# KiCad board [DFR1144][M027.00940](V1.0.0).kicad_pcb (continued)
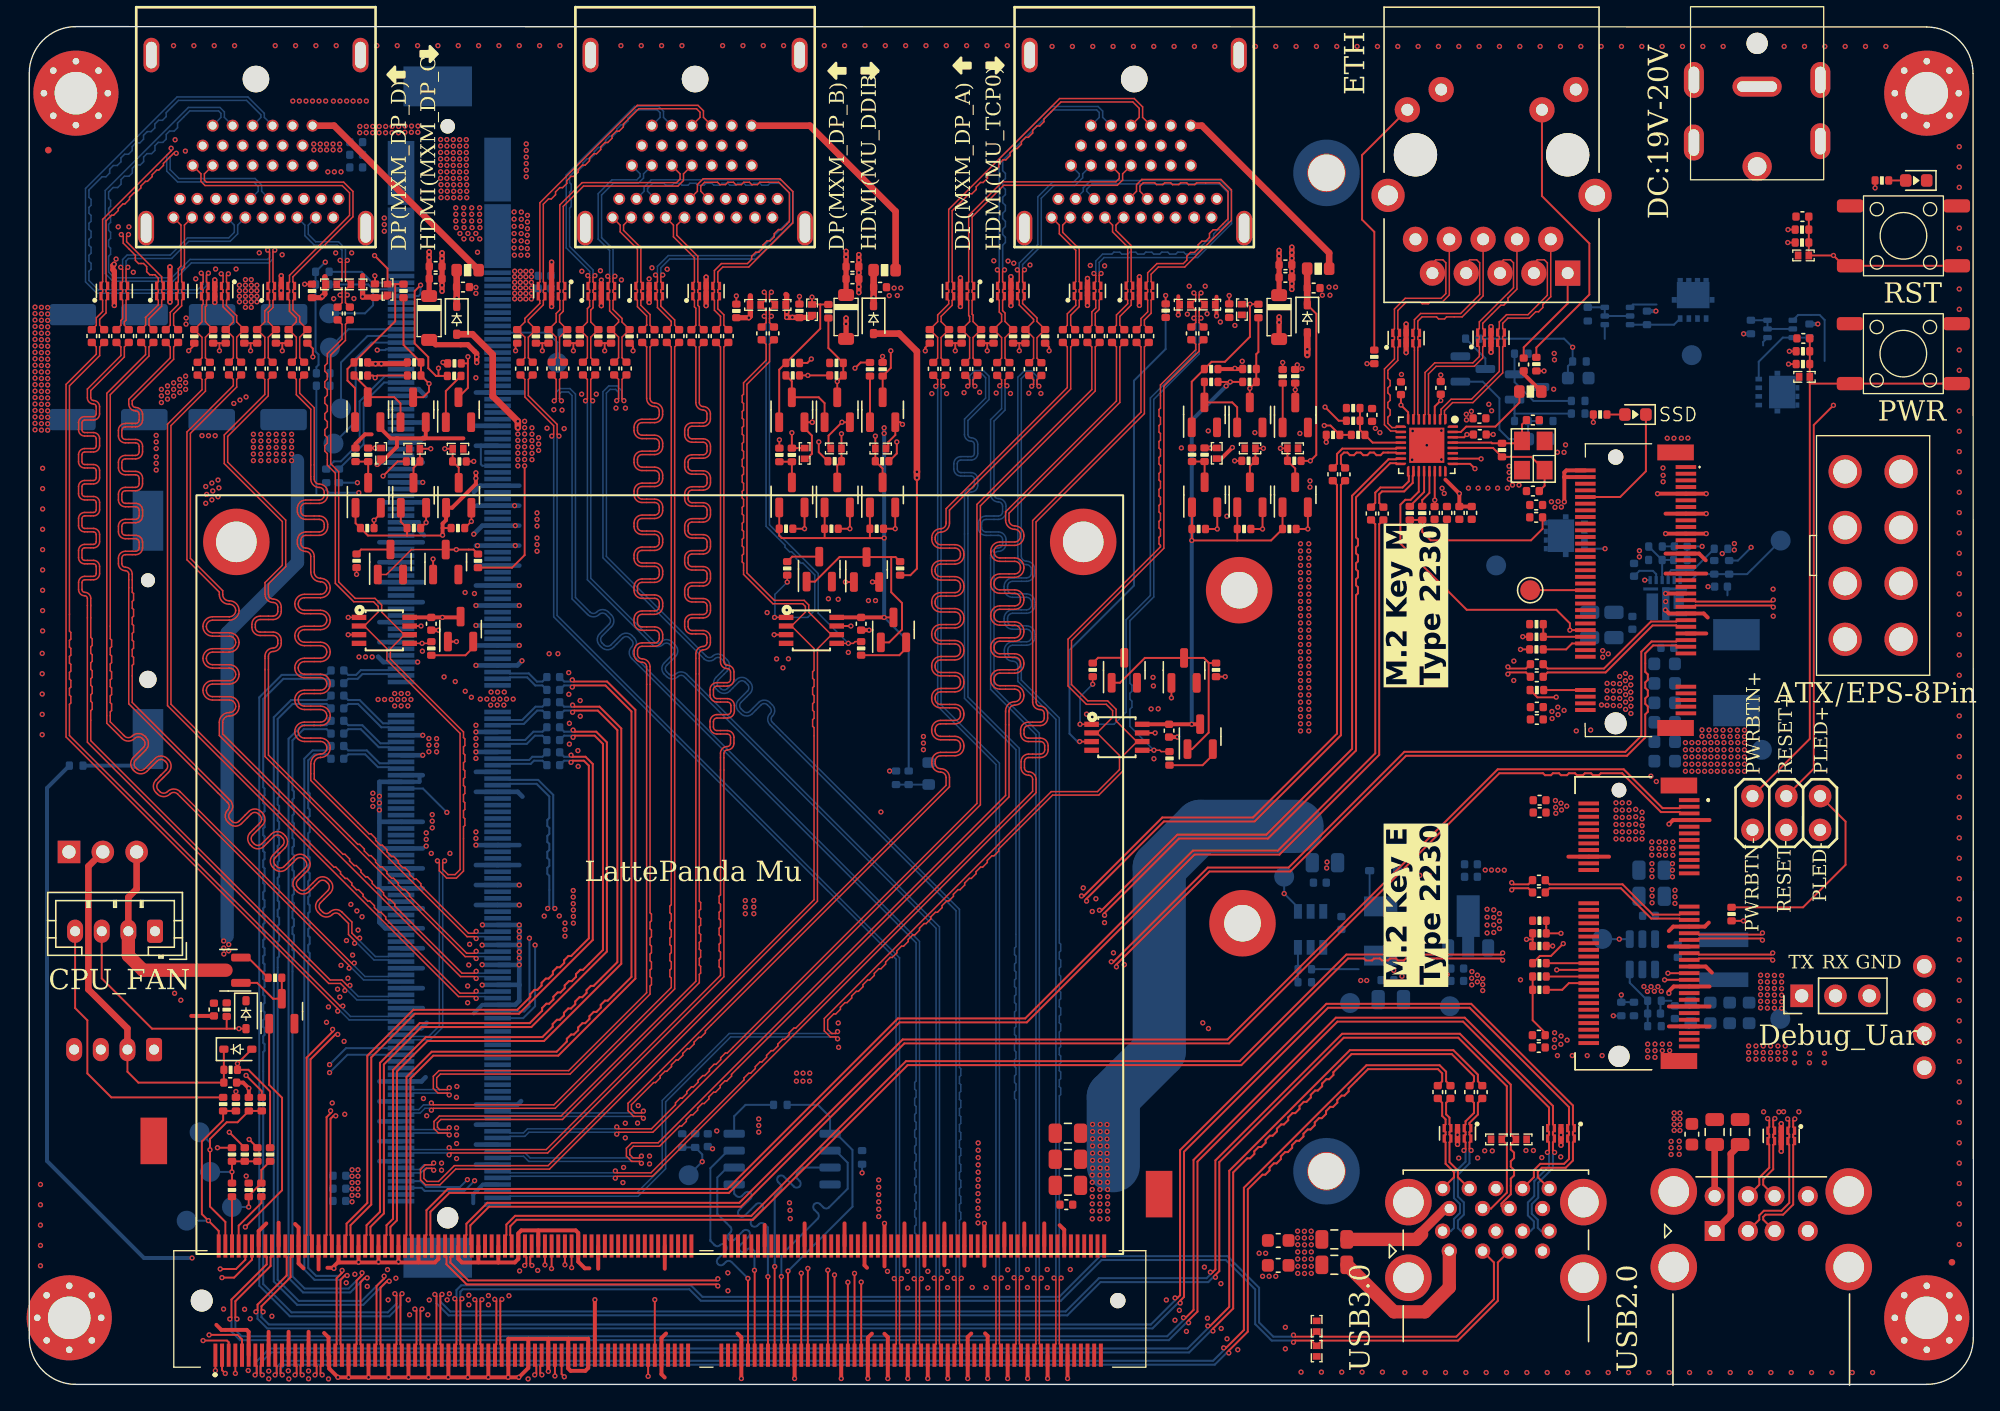
[diagram p0: board, top side]
## Routing (per net, layer and track width the routed paths; a pad name or vN(x,y) marks a point on that pad's centre or on a via; arc(x,y) is an arc through that point) (continued)
Net-(A1-HPD_1): length 14.6
  In1.SIG1 w0.15: A1.185 v1(61.98,8.34)
  In3.SIG2 w0.15: v1(61.98,8.34) 61.98,15.32 v1(62.54,15.89)
  In8.SIG4 w0.15: v1(62.54,15.89) R1.1
Net-(A1-SIO_UART_RX): length 145
  In1.SIG1 w0.15: A1.12 16.73,9.37 15.38,8.02 v1(14.47,8.02)
  In3.SIG2 w0.15: v1(14.47,8.02) 18.47,8.02 23.29,3.2 74.36,3.2 82.45,11.29 82.45,20.63 v1(88.56,26.73)
  In6.SIG3 w0.15: J1.2 135.65,27.24 134.53,26.13 116.77,26.13 116.04,26.86 88.68,26.86 v1(88.56,26.73)
Net-(A1-SIO_UART_TX): length 142.2
  In1.SIG1 w0.15: A1.10 16.23,9.37 15.53,8.67 v1(14.34,8.67)
  In3.SIG2 w0.15: v1(88.13,27.16) 82.15,21.18 82.15,11.41 74.24,3.5 23.41,3.5 18.24,8.67 v1(14.34,8.67)
  In6.SIG3 w0.15: v1(88.13,27.16) 116.16,27.16 116.89,26.43 132.3,26.43 133.11,27.23 J1.1
Net-(A1-SPI_CLK): length 19.6
  In1.SIG1 w0.15: A1.155 54.48,8.56 v1(54.46,8.57)
  In8.SIG4 w0.15: v1(54.46,8.57) 54.46,10.02 54.34,10.14 arc(54.13,10.22) 53.92,10.14 53.81,10.02 arc(53.59,9.94) 53.38,10.02 arc(53.29,10.24) 53.38,10.45 54.03,11.1 arc(54.12,11.31) 54.03,11.52 arc(53.82,11.61) 53.61,11.52 52.96,10.87 arc(52.75,10.78) 52.53,10.87 arc(52.45,11.08) 52.53,11.3 52.65,11.41 arc(52.73,11.62) 52.65,11.83 51.67,12.81 51.67,15.54 52.42,16.29 U29.6
Net-(A1-SPI_IO2): length 19.5
  In1.SIG1 w0.15: A1.161 55.98,8.84 v1(55.98,8.85)
  In8.SIG4 w0.15: v1(55.98,8.85) 55.98,14.17 56.41,14.6 arc(56.5,14.81) 56.41,15.02 56.25,15.19 arc(56.16,15.4) 56.25,15.61 arc(56.46,15.7) 56.67,15.61 57.42,14.86 arc(57.63,14.78) 57.84,14.86 arc(57.93,15.08) 57.84,15.29 57.68,15.45 arc(57.6,15.66) 57.68,15.87 58.1,16.29 U29.3
Net-(A1-SPI_IO3): length 19.6
  In1.SIG1 w0.15: v1(53.97,7.96) 53.98,7.95 A1.153
  In8.SIG4 w0.15: U29.7 52.47,17.56 51.15,16.24 51.15,10.78 51.47,10.46 arc(51.67,10.38) 51.88,10.46 arc(52.08,10.54) 52.28,10.46 52.3,10.44 arc(52.39,10.24) 52.3,10.04 51.72,9.45 arc(51.63,9.24) 51.72,9.03 arc(51.93,8.94) 52.15,9.03 52.31,9.2 arc(52.52,9.28) 52.73,9.2 v1(53.97,7.96)
Net-(A1-SPI_MISO/SPI_IO1): length 19.6
  In1.SIG1 w0.15: v1(56.48,8.1) 56.48,8.09 A1.163
  In8.SIG4 w0.15: v1(56.48,8.1) 56.48,9.72 59.21,12.45 arc(59.3,12.66) 59.21,12.87 58.96,13.12 arc(58.87,13.33) 58.96,13.55 arc(59.17,13.63) 59.38,13.55 59.63,13.3 arc(59.85,13.21) 60.06,13.3 61.46,14.7 61.46,16.65 60.55,17.56 U29.2
Net-(A1-SPI_MOSI/SPI_IO0): length 19.5
  In1.SIG1 w0.15: v1(55.47,8.09) 55.48,8.09 A1.159
  In8.SIG4 w0.15: U29.5 52.94,14.32 53.1,14.16 arc(53.31,14.07) 53.52,14.16 53.74,14.38 arc(53.95,14.47) 54.16,14.38 arc(54.25,14.17) 54.16,13.95 53.31,13.1 arc(53.22,12.88) 53.31,12.67 arc(53.52,12.58) 53.73,12.67 54.59,13.53 arc(54.8,13.62) 55.01,13.53 arc(55.1,13.32) 55.01,13.11 54.26,12.35 arc(54.17,12.14) 54.26,11.93 arc(54.47,11.84) 54.68,11.93 54.8,12.04 arc(55.01,12.13) 55.22,12.04 55.47,11.79 v1(55.47,8.09)
Net-(A1-~{BIOS_SEL}): length 19.7
  In1.SIG1 w0.15: v1(46.98,6.37) A1.133
  In3.SIG2 w0.15: v1(46.98,6.37) 50.54,9.93 v1(50.54,16.73)
  In8.SIG4 w0.15: R139.2 R3.1 50.54,17.27 v1(50.54,16.73) TP1.1
Net-(A1-~{SPI_CS0}): length 24.5
  In1.SIG1 w0.15: A1.165 56.98,8.5 v1(56.98,8.51)
  In8.SIG4 w0.15: R138.1 59.22,21 60.14,20.08 U29.1 60.6,18.83 61.82,17.61 61.82,13.35 v1(56.98,8.51)
Net-(BT1-+): length 6.9
  In8.SIG4 w0.3: R2.2 8.91,46.48
  In8.SIG4 w0.5: 8.91,46.48 BT1.1
Net-(C169-Pad1): length 0.9
  In8.SIG4 w0.15: C169.1 122.65,62.95 R145.1
Net-(D8-K): length 11.6
  In1.SIG1 w0.4: v1(61.34,85.12) v1(61.34,84.7) 61.34,81.71
  In3.SIG2 w0.4: v1(61.34,84.7) v1(61.34,85.12) 61.34,86.85 59.13,89.06 U11.D20
Net-(D9-A): length 1.4
  In1.SIG1 w0.15: R50.1 D9.2
Net-(D9-K): length 9.6
  In1.SIG1 w0.15: J5.10 119.47,66.66 121.41,68.6 D9.1
Net-(D11-A): length 1.3
  In1.SIG1 w0.15: R69.1 D11.2
Net-(D12-K): length 1.9
  In8.SIG4 w0.15: D12.1 100.66,36.68
Net-(D14-A): length 22.7
  In1.SIG1 w0.15: D14.2 v1(15.74,26.72) 14.82,26.72 ; 14.82,26.72 R87.2 ; 14.82,26.72 9.22,26.72 5.44,30.5 M1.3 ; R83.1 17.46,22.03 v1(16.28,23.21)
  In3.SIG2 w0.15: v1(16.28,23.21) 16.28,26.18 v1(15.74,26.72)
Net-(D15-A): length 208.9
  In1.SIG1 w0.15: R85.2 18.08,22.01 16.46,23.63 R89.2 v1(15.63,24.1) 15.63,24.1 16.71,25.18 D15.2
  In3.SIG2 w0.15: v1(15.63,24.1) 14.73,23.2 7.32,23.2 M2.3
  In6.SIG3 w0.15: M2.3 6.84,23.68 10.54,23.68 17.41,30.55 17.41,39.22 23.95,45.75 96.49,45.75 112.44,61.71 132.57,61.71 134.38,59.91 134.38,54.46 140.48,48.36 140.48,28.17 M3.3
Net-(D15-K): length 181.4
  In1.SIG1 w0.15: D15.1 14.61,25.18 C70.1 8.19,22.67 7.37,23.49 M2.2
  In1.SIG1 w0.5: M2.2 7.37,26.74 4.44,29.67 4.44,38.92 J8.2
  In4.PWR w0.5: M2.2 7.37,17.52 14.44,10.45 82.43,10.45 95.09,23.12 136.57,23.12 142.32,28.87
Net-(D28-K): length 12.5
  In1.SIG1 w0.15: 30.03,84.66 v1(30.03,84.66)
  In1.SIG1 w0.4: v1(30.03,85.08) 30.03,85.08 30.03,81.64
  In3.SIG2 w0.4: v1(30.03,84.66) v1(30.03,85.08) 30.03,85.44 26.41,89.06 U26.D20
Net-(D46-K): length 11.6
  In1.SIG1 w0.15: 93.86,84.1 C159.2 93.86,84.1
  In1.SIG1 w0.4: v1(93.86,85.19) 93.86,84.1 ; 93.86,81.7 93.86,84.1
  In3.SIG2 w0.4: v1(93.86,84.76) v1(93.86,85.19) 93.86,87.51 92.31,89.06 U31.D20
Net-(J2-VBUS1): length 7.3
  In1.SIG1 w0.5: J2.1 127.78,12.73 127.78,17.32 F3.2
Net-(J2-VBUS2): length 3.9
  In1.SIG1 w0.5: J2.5 F7.2
Net-(J4-CT): length 7.8
  In1.SIG1 w0.15: J4.R1 115.53,81.2 112.23,77.9 C34.1
Net-(J4-PadL1): length 19.8
  In1.SIG1 w0.15: J4.L1 100.09,92.35 100.09,87.5 101.01,86.58 R45.1
Net-(J4-PadL3): length 21.7
  In1.SIG1 w0.15: R44.1 113.18,77.89 117.16,81.87 117.16,85.71 113.6,89.27 J4.L3
Net-(J5-DEVSLP): length 4.1
  In1.SIG1 w0.15: TP2.1 116.86,59.66 J5.38
Net-(J5-SUSCLK): length 3.1
  In1.SIG1 w0.15: R49.1 116.86,52.16 J5.68
Net-(J5-~{CLKREQ}): length 4.1
  In1.SIG1 w0.15: R47.1 R46.2 116.86,56.16 J5.52
Net-(J5-~{PEWAKE}): length 3.4
  In1.SIG1 w0.15: J5.54 115.86,55.66 115.41,55.21 R100.2
Net-(J6-SUSCLK): length 3.2
  In1.SIG1 w0.15: R53.1 J6.50
Net-(J6-~{CLKREQ0}): length 12.9
  In1.SIG1 w0.15: v1(123.06,30.89) 123.06,30.89 J6.53 ; v1(115.03,33.88) R51.2 R52.1
  In3.SIG2 w0.15: v1(123.06,30.89) 120.07,33.88 v1(115.03,33.88)
Net-(J6-~{W_DISABLE1}): length 3.4
  In1.SIG1 w0.15: R54.1 115.12,29.64 115.62,30.14 J6.56
Net-(J6-~{W_DISABLE2}): length 3.2
  In1.SIG1 w0.15: R55.2 J6.54
Net-(J11-PWR_GOOD): length 10.3
  In8.SIG4 w0.15: J11.6 25.82,82.26 ; 25.82,82.26 25.82,81.07 25.21,80.46 TP11.1 ; 25.82,82.26 25.45,82.63 R109.1
Net-(J11-SMB_CLK): length 9.2
  In8.SIG4 w0.15: J11.34 26.64,75.26 25.11,73.73 25.11,70.63 23.25,68.77 R105.2
Net-(J11-SMB_DAT): length 10.3
  In8.SIG4 w0.15: R104.2 22.88,69.34 23.4,69.34 24.81,70.75 24.81,73.85 26.72,75.76 J11.32
Net-(J11-TH_ALERT#): length 11
  In8.SIG4 w0.15: TP6.1 24.51,72.34 24.51,77.07 25.7,78.26 J11.22
Net-(J11-TH_OVERT#): length 8.8
  In8.SIG4 w0.15: J11.20 25.4,78.76 23.41,76.77 TP13.1
Net-(J11-WAKE#): length 5.7
  In8.SIG4 w0.15: R112.1 24.96,83.58 25.78,82.76 J11.4
Net-(J13A-VBUS1): length 12.6
  In1.SIG1 w1: F4.2 102.48,5.45 104.81,5.45 106.64,7.28 J13.1
Net-(J13B-VBUS2): length 8.8
  In1.SIG1 w0.7: J13.10 106.32,13.21 104.57,11.46 104.57,11.29
  In1.SIG1 w1: F5.2 104.17,10.89 104.57,11.29
Net-(M1-PWM): length 22
  In1.SIG1 w0.15: M1.4 3.44,28.27 4.36,27.35 4.36,23.36 6.16,21.56 R84.2
Net-(M2-PWM): length 209.8
  In1.SIG1 w0.15: v1(15.02,18.94) R86.2
  In3.SIG2 w0.15: v1(15.02,18.94) 15.02,18.94 6.88,18.94 3.37,22.45 M2.4
  In6.SIG3 w0.15: M2.4 5.14,23.38 10.66,23.38 17.71,30.43 17.71,39.1 24.07,45.45 96.61,45.45 112.56,61.41 132.45,61.41 134.08,59.78 134.08,54.34 140.18,48.24 140.18,25.93 M3.4
Net-(Q1-D): length 2.5
  In1.SIG1 w0.15: R7.1 R12.1 88.27,69.33 Q1.3
Net-(Q4-D): length 36.4
  In1.SIG1 w0.15: 71.94,78.22 v1(71.94,77.65) ; R13.1 95.07,75.22 v1(95.07,74.72) Q4.3 ; R9.2 R11.2 ; 69.54,78.22 v1(69.54,77.65) ; 74.35,78.22 v1(74.35,77.65) ; R15.2 R18.2 ; R17.2 76.59,77.92 v1(76.59,77.65) ; v1(67.29,77.64) 67.29,77.89 R8.2 ; R10.2 R14.2
  In3.SIG2 w0.15: v1(67.29,77.64) 67.3,77.65 v1(74.35,77.65) v1(76.59,77.65) 92.15,77.65 v1(95.07,74.72)
Net-(Q4-G): length 3.3
  In1.SIG1 w0.15: Q4.1 94.13,71.89 R20.2
Net-(Q5-G): length 5.9
  In1.SIG1 w0.15: R23.2 57.27,75.36 Q6.3 59.29,74.15 59.73,73.71 Q5.1
Net-(Q7-D): length 2.5
  In1.SIG1 w0.15: R30.1 R35.1 Q7.3
Net-(Q9-D): length 2.9
  In8.SIG4 w0.15: Q9.3 109.35,77.08 R62.1
Net-(Q9-G): length 10.5
  In8.SIG4 w0.15: R60.2 R59.1 C47.1 111.12,71.01 110.41,71.72 110.41,74.07 109.15,75.33 Q9.1
Net-(Q10-D): length 5.1
  In1.SIG1 w0.15: Q12.1 17.11,30.16 18.31,28.97 Q10.3 18.96,30.54 R77.1
Net-(Q11-G): length 27.4
  In3.SIG2 w0.15: v1(118.34,62.78) 115.91,65.21 v1(115.91,77.91)
  In8.SIG4 w0.15: R62.2 115.26,78.56 v1(115.91,77.91) R61.1 115.55,76.49 C48.1 ; Q11.4 v1(118.34,62.78)
Net-(Q11-S_1): length 1.8
  In8.SIG4 w0.15: Q33.4 118.32,78.54 ; 130.21,78.05 130.21,78.31 Q37.4
Net-(Q13-D_1): length 2.1
  In8.SIG4 w0.15: Q33.1 120.43,81.12 122.2,81.12
Net-(Q13-G): length 4
  In8.SIG4 w0.15: Q13.4 123.52,79.61 R142.2 121.49,79.61 Q33.3
Net-(Q14-D_1): length 5.8
  In8.SIG4 w0.15: Q37.1 132.84,80.34 134.45,80.34 134.83,79.96 134.83,76.89
Net-(Q14-G): length 5.9
  In8.SIG4 w0.15: Q14.4 129.88,76.83 131.69,78.64 Q37.3 R144.2
Net-(Q15-D): length 2.5
  In1.SIG1 w0.15: Q15.3 57.27,69.31 R99.1 R94.1
Net-(Q18-D): length 37.8
  In1.SIG1 w0.15: R158.2 45.34,77.96 v1(45.34,77.65) ; 40.86,78.22 v1(40.86,77.65) ; R95.2 36.52,78.09 v1(36.52,77.65) ; 43.21,78.22 v1(43.21,77.65) ; R156.2 R159.2 ; Q18.3 64.09,75.75 R154.1 64.7,76.36 v1(64.7,77.65) ; 38.53,78.22 v1(38.53,77.65) ; R96.2 R98.2 ; R97.2 R155.2
  In3.SIG2 w0.15: v1(64.7,77.65) v1(45.34,77.65) v1(38.53,77.65) 36.52,77.65 v1(36.52,77.65)
Net-(Q18-G): length 3.5
  In1.SIG1 w0.15: Q18.1 63.14,75.75 R161.2
Net-(Q20-D): length 31.8
  In1.SIG1 w0.15: v1(21.3,77.19) 21.3,77.81 R115.2 ; R37.2 R116.2 ; v1(32.94,77.2) 32.94,74.86 Q20.3 ; R31.2 R34.2 ; v1(11.97,77.65) 12.39,78.07 R32.2 ; R33.2 R113.2 ; 32.94,76.7 R36.1 ; 19,78.22 v1(19,77.65) ; 16.62,78.22 v1(16.62,77.65) ; 14.28,78.22 v1(14.28,77.65)
  In3.SIG2 w0.15: v1(32.94,77.2) 32.63,77.51 26.6,77.51 26.29,77.19 v1(21.3,77.19) ; 14.28,77.65 v1(14.28,77.65)
  In6.SIG3 w0.15: v1(11.97,77.65) 14.28,77.65 ; v1(21.3,77.19) 20.84,77.65 v1(14.28,77.65)
Net-(Q20-G): length 4
  In1.SIG1 w0.15: Q20.1 31.28,74.62 R118.2
Net-(Q21-G): length 6.7
  In1.SIG1 w0.15: Q21.1 27.87,73.7 27.4,74.17 Q22.3 ; Q22.3 25.42,74.76 R121.2 ; Q22.3 25.42,74.72
Net-(Q23-D): length 2.7
  In1.SIG1 w0.15: 82.09,54.44 Q23.3 80.26,54.58 R125.2
Net-(Q24-S): length 4
  In1.SIG1 w0.15: R126.2 88.12,46.52 88.88,47.28 Q24.2
Net-(Q26-D): length 2.6
  In1.SIG1 w0.15: Q26.3 57.29,62.18 56.92,61.81 R128.2
Net-(Q27-S): length 4
  In1.SIG1 w0.15: R129.2 65.34,54.78 65.85,55.29 Q27.2
Net-(Q29-D): length 2.7
  In1.SIG1 w0.15: R131.2 24.91,62.72 Q29.3
Net-(Q30-S): length 3.8
  In1.SIG1 w0.15: Q30.2 33.34,55.36 32.75,54.77 R132.2
Net-(Q33A-B1): length 3.8
  In8.SIG4 w0.15: R141.2 117.04,80.91 Q33.6 Q33.5 Q33.2
Net-(Q34-G): length 5.7
  In1.SIG1 w0.15: Q34.1 90.71,73.4 90.34,73.77 Q35.3 88.25,75.3
Net-(Q37A-B1): length 3.8
  In8.SIG4 w0.15: Q37.2 Q37.5 Q37.6 129.3,79.94 R143.2
Net-(R70-Pad2): length 5.4
  In1.SIG1 w0.15: R85.1 17.43,16.1 R70.2 16.48,14.17 R82.1 v1(16.48,13.32)
  In8.SIG4 w0.15: v1(16.48,13.32) 15.22,13.32 TP15.1
Net-(R134-Pad2): length 2.5
  In8.SIG4 w0.15: R134.2 67.54,45.06 TH1.1
Net-(R136-Pad2): length 5.2
  In1.SIG1 w0.15: R136.2 15.22,15.96 v1(15.22,15.96) 15.22,15.96 R80.2 R137.2
  In8.SIG4 w0.15: TP16.1 v1(15.22,15.96)
Net-(U5-CKXTAL1): length 9.3
  In1.SIG1 w0.15: C33.2 113.8,67.51 Y1.1 112.8,69.68 R43.2 109.93,70.35 U5.28
Net-(U5-CKXTAL2): length 7
  In1.SIG1 w0.15: C32.2 112.1,72.1 Y1.3 111.92,70.7 R43.1 109.85,70.7 109.8,70.75 U5.29
Net-(U5-CLKREQB): length 5.1
  In1.SIG1 w0.15: R39.2 R38.1 99.94,71.7 R106.1 100.89,70.75 U5.12
Net-(U5-ISOLATEB): length 3.1
  In1.SIG1 w0.15: 103.68,65.97 104.75,67.04 U5.20
Net-(U5-LANWAKEB): length 2.9
  In1.SIG1 w0.15: R41.2 104.61,66.43 105.15,66.97 U5.21
Net-(U5-RSET): length 6.7
  In1.SIG1 w0.15: R42.2 111.91,73.75 110.1,71.95 107.91,71.95 107.51,71.55 U5.31
Net-(U8-K): length 5.9
  In8.SIG4 w0.15: R59.2 111.55,72.38 111.55,72.93 ; R58.1 111.55,72.93 111.55,72.93 ; 111.55,72.93 U8.1
Net-(U8-REF): length 7
  In8.SIG4 w0.15: R56.1 112.96,73.88 111.55,75.3 U8.2 111.55,75.98 111.54,75.99 R57.2
Net-(U10-FB): length 4.8
  In8.SIG4 w0.15: R76.2 R75.1 120.19,30.17 U10.3
Net-(U11-+5V): length 17.9
  In1.SIG1 w0.5: F6.2 65.06,88.12 58.62,94.56 U11.H18
Net-(U11-CONFIG2): length 14.2
  In1.SIG1 w0.15: R26.1 57.84,81.73 v1(57.84,81.73)
  In6.SIG3 w0.15: v1(57.84,81.73) 57.84,84.67 57.12,85.39 57.12,89.62 56.6,90.14 53.38,90.14 U11.D14
Net-(U16-CB): length 0
  In8.SIG4 w0.15: 97.17,32.82 U16.1
Net-(U16-FB): length 2.7
  In8.SIG4 w0.15: R66.2 95.26,31.19 95.25,31.18 ; R66.2 U16.3 ; R66.2 R140.2
Net-(U26-+5V): length 17
  In1.SIG1 w0.5: U26.H18 22.89,94.56 F2.2
Net-(U26-CONFIG2): length 11.4
  In1.SIG1 w0.15: v1(25.95,83.28) 25.96,83.27 R124.1
  In3.SIG2 w0.15: v1(25.95,83.28) 22.5,83.28 20.85,84.93 20.85,87.94 20.45,88.34 20.05,88.34 U26.D14
Net-(U31-+5V): length 15.5
  In1.SIG1 w0.5: F1.2 97.62,85 88.06,94.56 U31.H18
Net-(U31-CONFIG2): length 13.9
  In1.SIG1 w0.15: R153.1 90.12,81.8 v1(90.11,81.8)
  In6.SIG3 w0.15: v1(90.11,81.8) 90.11,89.51 89.5,90.12 86.34,90.12 U31.D14
Net-(U32-BS): length 5.9
  In6.SIG3 w0.15: v1(126.07,59.93) 125.58,60.42 v1(121.32,60.42)
  In8.SIG4 w0.15: v1(126.07,59.93) C162.1 ; v1(121.32,60.42) U32.6
Net-(U32-EN): length 8.8
  In8.SIG4 w0.15: U32.1 124.81,60.42 125.26,60.87 R73.1 129.01,60.87 TP4.1
Net-(U32-FB): length 3.8
  In8.SIG4 w0.15: R78.1 R88.2 ; R88.2 R145.2 ; R88.2 U32.4
Net-(U32-ILIM): length 4.7
  In8.SIG4 w0.15: U32.3 123.08,60.94 123.32,61.18 124.96,61.18 124.96,61.19 R146.2
Net-(U32-LX): length 0.7
  In8.SIG4 w0.15: C162.2 127.53,59.27
Net-(U32-VCC): length 2.4
  In8.SIG4 w0.15: U32.5 122.18,60.87 121.93,61.12 120.92,61.12 C141.1

## Copper pours and planes (outline as drawn; the poured copper is in the pictures)
+3V3 on In1.SIG1: 106.05,69 105.85,69 105.85,68.2 105.85,66.98 106.1,66.49 106.16,65.67 106.78,65.67 106.78,66.23 106.59,67.14 106.09,67.68 106.05,68.2
+3V3 on In1.SIG1: 106.54,71.85 107.28,71.85 107.78,72.26 108.15,72.26 108.71,72.26 108.71,72.88 108.71,73.3 107.97,73.3 106.95,72.96 106.94,72.35 106.62,72.04
+3V3 on In1.SIG1: 103.4,71.25 101.97,71.25 101.15,72.07 101.15,72.63 100.53,72.63 100.53,71.9 101.46,71.05 103.4,71.05
+3V3 on In1.SIG1: 113.27,64.71 113.28,66.58 115.09,66.57 116.09,66.31 117.64,66.31 117.64,64.51 116.09,64.51 115.03,64.72
+3V3 on In1.SIG1: 113.54,26.74 115.17,26.74 116.34,26.29 117.89,26.29 117.89,25.49 116.34,25.49 115.07,25 113.56,25
+3V3 on In1.SIG1: 117.89,43.79 116.34,43.79 114.18,44.19 113.62,44.19 113.62,42.65 114.18,42.65 116.34,42.99 117.89,42.99
+3V3 on In1.SIG1: 117.64,51.81 116.09,51.81 114.89,51.31 113.37,51.32 113.38,49.59 113.94,49.59 116.09,50.51 117.64,50.51
+3V3 on In8.SIG4: 28.92,13 23.47,13.05 23.47,16.41 25.6,16.41 26.51,14.41 28.92,14.44
+3V3 on In8.SIG4: 123.27,30.96 123.27,28.04 132.02,28.04 132,31
+3V3 on In4.PWR: 0.02,101.99 145.98,101.98 146.06,0.02 -0.01,-0.08
+3V3_ROM on In8.SIG4: 106.12,28.71 106.11,32.79 107.08,32.79 107.11,28.68
+3V3_ROM on In8.SIG4: 53.74,18.53 49.65,18.51 49.63,19.35 53.74,19.38
+5V on In1.SIG1: 14.35,31.75 14.37,33.19 16.73,33.18 16.72,31.75
+5V on In1.SIG1, In3.SIG2: 123.25,20.62 129.18,20.61 129.18,18.88 123.25,18.87
+5V on In1.SIG1, In3.SIG2: 93.9,11.86 97.83,11.83 97.85,8.06 93.9,8.05
+5V on In8.SIG4: 14.36,31.76 14.36,33.76 15.36,33.75 15.37,31.75
+5V on In8.SIG4: 16.45,69.18 16.44,80.47 15.51,80.48 15.51,83.19 20.8,83.19 20.91,69.22
+5V on In8.SIG4: 34.17,83.69 36.17,83.69 36.55,83.89 38.6,83.89 38.6,81.33 34.17,81.34
+5V on In8.SIG4: 129.97,54.83 124.67,54.87 123.84,55.81 123.06,55.81 123.07,45.81 129.97,45.79
+5V on In3.SIG2: 16.47,69.18 16.47,71.58 19.96,71.59 19.95,69.2
+5V on In3.SIG2: 15.58,83.21 18.29,83.19 18.3,80.73 15.56,80.73
+5V on In3.SIG2: 35.76,83.95 38.36,83.96 38.36,81.33 35.77,81.33
+5V on In3.SIG2, In4.PWR: 124.15,45.82 124.15,49.38 129.04,49.38 129.04,45.79
+5V_FAN on In1.SIG1: 14.23,31.39 14.22,29.31 16.9,29.32 16.9,28.19 12.68,28.2 12.7,31.37
+12V_FAN on In8.SIG4: 99.64,32.96 99.66,27.93 101.87,27.92 101.86,32.96
GND on In1.SIG1: 112.72,64.2 112.97,64.83 112.97,66.37 112.71,66.96 112.71,67.76 112.69,68.15 112.34,68.15 112.45,64.21
GND on In1.SIG1: 123.06,54.54 123.42,55.06 125.85,55.06 125.85,54.52
GND on In1.SIG1: 105.46,64.19 105.22,64.4 105.23,65.27 109.13,65.27 109.12,64.19
GND on In1.SIG1: 123.04,68.34 125.81,68.34 125.81,68.8 123.04,68.8
GND on In1.SIG1: 123.25,24.99 123.24,25.54 126.09,25.54 126.09,25
GND on In1.SIG1: 122.98,51.48 125.82,51.48 125.82,50.69 122.99,50.7
GND on In1.SIG1: 123.38,43.97 123.89,43.74 126.02,43.74 126.02,44.18 123.46,44.18
GND on In1.SIG1: 123.36,35.96 123.89,35.74 126.05,35.74 126.05,36.19 123.36,36.19
GND on In1.SIG1: 112.82,25.03 113.66,24.2 114.08,24.43 113.43,24.87 113.15,25.18
GND on In1.SIG1, In8.SIG4: 0.02,101.99 145.98,101.98 146.06,0.02 -0.01,-0.08
GND on In8.SIG4: 29.51,52.46 29.51,52.94 26.92,52.94 26.92,52.46
GND on In8.SIG4: 130.32,53.22 126.51,53.21 126.61,36.5 132.29,36.49 132.34,21.27 91.64,21.4 91.86,64.4 130.29,63.77
GND on In8.SIG4: 23.85,90.96 24.35,91.11 24.35,93.63 24.35,95.29 23.55,95.29 23.57,91.1
GND on In8.SIG4: 33.43,50.34 33.45,52.68 34.17,52.69 36.17,52.69 36.78,52.42 36.7,50.61 36.17,50.34
GND on In8.SIG4: 29.48,50.29 28.92,50.09 26.92,50.09 26.55,50.63 29.47,50.59
GND on In8.SIG4: 23.09,15.67 23.1,16.93 22.57,16.93 22.55,13.47 23.06,13.47
GND on In8.SIG4: 34.17,81.19 37.01,81.19 37,79.34 34.17,79.34
GND on In2.GND, In5.GND, In7.GND: 0.02,101.99 145.98,101.98 146.06,0.02 -0.01,-0.08
GND on In3.SIG2, In6.SIG3: 0.02,101.99 145.98,101.98 146.06,0.02 -0.01,-0.08
PWR_SRC on In1.SIG1: 80.63,1.32 78.33,1.32 78.33,9.21 78.08,9.52 78.08,19.74 81.37,19.76 81.41,9.53 80.63,9.16 80.63,3.07
PWR_SRC on In8.SIG4: 79.41,19.82 83.39,19.82 83.4,12.27 79.42,12.25
PWR_SRC on In8.SIG4: 120.84,32.78 120.79,34.55 112.78,34.54 112.76,43.63 118.71,43.65 118.71,40.52 121.43,40.51 121.45,34.48 121.45,33.98 121.44,32.78
PWR_SRC on In8.SIG4: 5.43,71.49 5.46,81.17 0.18,81.17 0.15,71.49
PWR_SRC on In8.SIG4: 95.86,34.9 95.86,36.19 95.47,36.85 95.48,41.61 96.93,41.61 96.92,36.85 96.58,36.16 96.58,34.9
PWR_SRC on In8.SIG4: 122.33,59.87 119.9,59.88 119.89,61.95 115.87,62.07 115.86,57.16 122.33,57.18
PWR_SRC on In8.SIG4: 116.1,67.06 95.07,66.9 95.01,40.5 116.09,40.37
PWR_SRC on In8.SIG4: 28.92,88.61 34.17,88.86 36.17,88.86 36.16,94.7 24.63,94.71 24.63,88.61
PWR_SRC on In8.SIG4: 107.2,36.64 107.2,40.52 108.2,40.52 108.22,36.64
PWR_SRC on In4.PWR: 108.76,63.34 102.89,63.37 102.89,67.4 33.22,67.57 33.17,99.2 0.11,99.24 0.13,35.09 108.86,35.41
Net-(D12-K) on In8.SIG4: 96.88,34.84 96.88,36.08 97.19,36.83 102.92,36.84 102.92,34.84
Net-(Q11-S_1) on In8.SIG4: 130.3,78.09 127.98,78.1 127.99,80.58 122.1,80.58 122.11,79.05 116.46,79 116.45,62.22 120.51,62.22 120.51,63.76 130.29,63.77
Net-(Q13-D_1) on In8.SIG4: 122.03,95.5 138.62,95.42 138.61,80.79 122,80.76
Net-(Q14-D_1) on In8.SIG4: 138.95,54.52 138.92,77.02 130.53,77.01 130.58,60.82 131.72,60.81 131.7,54.52
Net-(U10-BOOST) on In8.SIG4: 121.79,30.51 121.79,31.83 122.08,32.31 124.11,32.36 124.11,31.72 122.76,31.72 122.54,31.42 122.54,30.51
Net-(U10-SW) on In8.SIG4: 121.77,32.69 121.77,34.41 129.34,34.38 129.34,32.66
Net-(U16-CB) on In8.SIG4: 96.88,32.28 96.88,33.81 98.23,34.46 98.85,34.46 98.85,33.9 97.48,33.18 97.48,32.28
Net-(U32-LX) on In8.SIG4: 125.48,55.11 125.48,58.1 123.36,58.1 123.36,59.46 130.4,59.43 130.44,55.09

Small or netless copper shapes (teardrops, artwork), in the pictures only: 1643 on In1.SIG1, 523 on In8.SIG4, 146 on In3.SIG2, 14 on In4.PWR, 134 on In6.SIG3

## Text on the board
B.Silkscreen: MXM_FAN | NTC | 12V | 100 | 5V | MXM | PWR_FAN | CR1220 | +12V | GND | MXM GPU Card Carrier for LattePanda Mu V1.0
F.Silkscreen: SSD | TX | RX | GND | PWRBTN- | PWRBTN+ | RESET- | RESET+ | PLED- | PLED+ | DP(MXM_DP_D) | HDMI(MXM_DP_C) | DP(MXM_DP_B) | HDMI(MU_DDIB) | DP(MXM_DP_A) | HDMI(MU_TCP0) | ATX/EPS-8Pin | CPU_FAN | LattePanda Mu | Debug_Uart | PWR | RST | ETH | USB3.0 | USB2.0 | DC:19V-20V | M.2 Key M / Type 2230 | M.2 Key E / Type 2230
F.Inf: PCB INF: DFR1144 V1.0.0 1.6mm 20241101 YXD-CD / Top SolderMask:Black  Bottom SolderMask:Black / Top Silkscreen:White   Bottom Silkscreen:White
B.Inf: PCB INF: DFR1144 V1.0.0 1.6mm 20241101 YXD-CD / Top SolderMask:Black  Bottom SolderMask:Black / Top Silkscreen:White   Bottom Silkscreen:White
F.Testpoint: DEVSLP
B.Testpoint: FAN_1_PWM | FAN_1_TAC | TH_PWM | PWR_LEVEL | FAN_2_TAC | TH_ALERT# | ~{BIOS_SEL} | PEX_STD_SW# | +12V_EN | +12V | +3V3_ROM | PWR_SRC | +3V3_EN | VIN | +3V3 | +5V_EN | +5V | PWR_GOOD | TH_OVERT#
